# Altium PCB 2312_BadgePlaceTravail.PcbDoc (part 2 of 2)
Units mm, origin at the board's own origin, x right, y up, seen from the top; angles counter-clockwise.
Board outline 130 x 87 mm, 2 copper layers (Top Layer, Bottom Layer), stack 1.62 mm thick; 119 components, 126 nets, 435 pads, 203 vias.
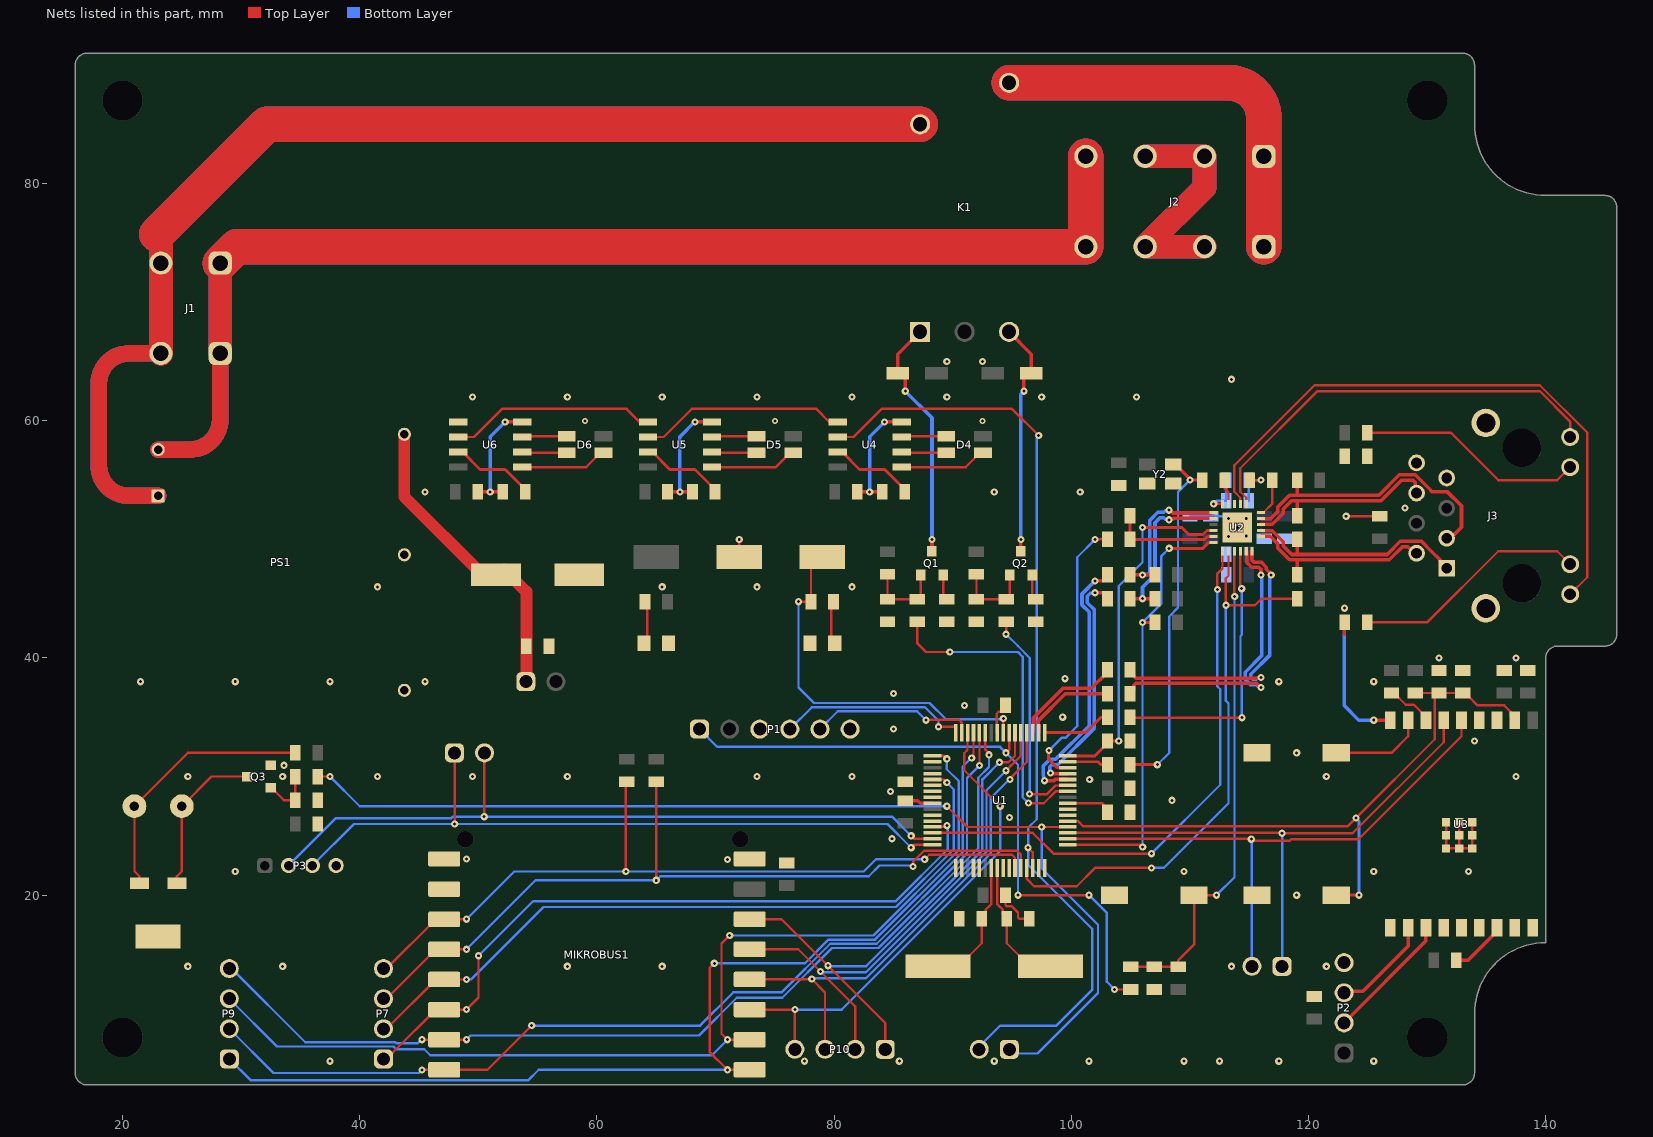
[diagram p2: the nets of this part, all layers, seen from the top]

## Via types
v1: diameter 0.61, hole 0.25, Top Layer to Bottom Layer, 200 vias
v2: diameter 0.51, hole 0.25, Top Layer to Bottom Layer, 3 vias

## Nets (pads, with @x,y where several pads share a name; then routed paths per layer and width w, separated by ;. In a path a pad name is that pad's centre, name@x,y a point inside that pad or via, vN(x,y) a via of type N, cw(c..) or ccw(c..) an arc to the next point about the centre after c; other vN are vias at no path point) (continued)
AC-L-IN: J1.2 K1.3 PS1.1 | length 196.9
  Top Layer w1.4: PS1.1@23,53.67 20.54,53.67 cw(c20.54,56.21) 18,56.21 18,63.14 cw(c20.54,63.14) 20.54,65.68 J1.2@23.23,65.68
  Top Layer w2: 22.876,75.725 23.23,75.371 J1.2@23.23,73.3 J1.2@23.23,65.68
  Top Layer w3: 22.876,75.725 32.152,85 K1.3@87.25,85
  Bottom Layer w1.4: PS1.1@23,53.67 20.54,53.67 cw(c20.54,56.21) 18,56.21 18,63.14 cw(c20.54,63.14) 20.54,65.68 J1.2@23.23,65.68
  Bottom Layer w2: 22.876,75.725 23.23,75.371 J1.2@23.23,73.3 J1.2@23.23,65.68
  Bottom Layer w3: 22.876,75.725 32.152,85 K1.3@87.25,85
AC-L-OUT: J2.1 K1.5 | length 68
  Top Layer w3: K1.5@94.75,88.5 113.23,88.5 cw(c113.23,85.5) 116.23,85.5 J2.1@116.23,74.68
  Bottom Layer w3: K1.5@94.75,88.5 113.23,88.5 cw(c113.23,85.5) 116.23,85.5 J2.1@116.23,74.68
AC-N: J1.1 J2.4 PS1.2 | length 202.1
  Top Layer w1.4: PS1.2@23,57.57 25.69,57.57 ccw(c25.69,60.11) 28.23,60.11 J1.1@28.23,65.68
  Top Layer w2: J1.1@28.23,65.68 J1.1@28.23,73.3
  Top Layer w3: J1.1@28.23,73.3 29.61,74.68 J2.4@101.23,74.68 J2.4@101.23,82.3
  Bottom Layer w1.4: PS1.2@23,57.57 25.69,57.57 ccw(c25.69,60.11) 28.23,60.11 J1.1@28.23,65.68
  Bottom Layer w2: J1.1@28.23,65.68 J1.1@28.23,73.3
  Bottom Layer w3: J1.1@28.23,73.3 29.61,74.68 J2.4@101.23,74.68 J2.4@101.23,82.3
AC-RST: R3.2 U1.58 | length 27.5
  Top Layer w0.2: R3.2@87,43.05 87,41.25 87.75,40.5 v1(89.75,40.5) ; v1(96.388,27.762) 96.4,27.75 97.67,27.75 98.67,28.75 U1.58@99.7,28.75
  Bottom Layer w0.2: v1(89.75,40.5) 95.505,40.5 95.911,40.094 95.911,28.239 v1(96.388,27.762)
AC-SET: R4.1 U1.59 | length 18.9
  Top Layer w0.2: v1(94.5,42) R4.1@94.5,43.05 ; v1(96.467,28.524) 97.948,28.524 98.674,29.25 U1.59@99.7,29.25
  Bottom Layer w0.2: v1(94.5,42) 95.475,41.025 95.477,41.025 96.5,40.001 96.5,28.557 v1(96.467,28.524)
CHILLI-RX: P3.3 P6.1 U1.32 | length 60.7
  Top Layer w0.2: P6.1@47.98,32 48,31.98 v1(48,26) ; v1(86.5,24) 86.502,24 86.752,24.25 U1.32@88.3,24.25
  Bottom Layer w0.2: P3.3@36,22.5 39.5,26 v1(48,26) 84.5,26 v1(86.5,24)
CHILLI-TX: P3.2 P6.2 U1.31 | length 62.2
  Top Layer w0.2: v1(50.491,26.619) 50.491,31.971 P6.2@50.52,32 ; v1(86.5,25) 86.502,25 86.752,24.75 U1.31@88.3,24.75
  Bottom Layer w0.2: P3.2@34,22.5 38,26.5 47.714,26.5 47.833,26.619 84.881,26.619 v1(86.5,25)
CLKIN: R33.1 U2.5 | length 2.1
  Top Layer w0.2: R33.1@112.95,55 112.95,54.25 113.25,53.95 U2.5@113.25,53.007
CRS_DV: R26.2 U1.62 | length 23.3
  Top Layer w0.2: v1(102,50) R26.2@103.05,50
  Top Layer w0.25: v1(98.117,32.193) 98.088,32.164 98.088,31.462 98.775,30.775 99.675,30.775 U1.62@99.7,30.75
  Bottom Layer w0.2: v1(98.117,32.193) 99.184,33.261 99.511,33.261 100.5,34.25 100.5,48.5 v1(102,50)
DEBUG: R45.1 TP2.1 U1.8 | length 32
  Top Layer w0.2: v1(77,44.75) R45.1@78.05,44.75 78.05,47.585 78.965,48.5 TP2.1@79,48.5 ; U1.8@94.25,33.7 94.258,33.708 94.258,34.879 v1(94.267,34.887)
  Bottom Layer w0.2: v1(77,44.75) 77,37.5 78.298,36.202 88.048,36.202 89.404,34.846 94.226,34.846 v1(94.267,34.887)
EARTH: J2.2 J2.3 | length 39.4
  Top Layer w2: J2.3@106.23,82.3 J2.2@111.23,82.3 111.23,79.68 J2.3@106.23,74.68 J2.2@111.23,74.68
  Bottom Layer w2: J2.3@106.23,82.3 J2.2@111.23,82.3 111.23,79.68 J2.3@106.23,74.68 J2.2@111.23,74.68
EGND: J3.P8 J3.S1 J3.S2 R32.1
  other v1: 128.132,52.635
EMDC: U1.30 U2.13 | length 47.4
  Top Layer w0.2: U1.30@88.3,25.25 96.75,25.25 98.5,23.5 v1(106.75,23.5) ; v1(112.319,45.77) 112.319,47.119 112.75,47.55 U2.13@112.75,48.993
  Bottom Layer w0.2: v1(106.75,23.5) 112.562,29.312 112.562,37.364 112.319,37.606 v1(112.319,45.77)
EMDIO: R13.1 U1.49 U2.12 | length 37.5
  Top Layer w0.25: U1.49@99.7,24.25 105.734,24.25 105.918,24.067 v1(106.015,24.067) ; v1(106,43) R13.1@107.05,43 ; v1(108.25,49.25) 111.089,49.25 111.589,49.75 U2.12@111.993,49.75
  Bottom Layer w0.2: v1(106,43) 106,24.082 v1(106.015,24.067) ; v1(106,43) 107.597,44.597 107.597,48.597 v1(108.25,49.25)
EN: C22.2 C23.1 R36.2 SW2.2 U1.53 U3.2 | length 56.3
  Top Layer w0.2: U1.53@99.7,26.25 100.55,26.25 101.004,25.796 123.296,25.796 v1(124,26.5) 130.647,33.147 130.647,36.7 130.997,37.05 C22.2@131,37.05 ; R36.2@129,37.05 130.6,37.05 C22.2@131,37.05 ; U3.2@137.4,34.75 137.05,35.1 137.05,35.45 136.5,36 134.25,36 133.55,36.7 133.2,37.05 131.5,37.05 C22.2@131,37.05
  Top Layer w0.25: SW2.2@122.35,20 v1(124.25,20)
  Bottom Layer w0.25: v1(124,26.5) 124,26.498 124.25,26.248 v1(124.25,20)
EREF-CLK: R34.1 U1.63 | length 3.5
  Top Layer w0.25: U1.63@99.7,31.25 102.25,31.25 102.5,31 R34.1@103.05,31
ERXD_0: R24.2 U1.61 | length 20.6
  Top Layer w0.3: v1(98.236,30.304) 98.295,30.244 99.006,30.244 99.012,30.25 U1.61@99.7,30.25 ; v1(102,45.5) 102.75,45.5 103.05,45.2 R24.2@103.05,45
  Bottom Layer w0.3: v1(98.236,30.304) 98.192,30.348 98.192,30.815 98.367,30.991 98.843,30.991 101.95,34.098 101.95,44.058 101.352,44.656 101.352,45.214 101.585,45.447 101.947,45.447 v1(102,45.5)
ERXD_1: R25.2 U1.60 | length 22.9
  Top Layer w0.3: v1(97.736,29.654) 98.544,29.654 98.665,29.774 99.075,29.774 99.1,29.75 U1.60@99.7,29.75 ; v1(102,46.5) 102.75,46.5 103.05,46.8 R25.2@103.05,47
  Bottom Layer w0.3: v1(97.736,29.654) 97.676,29.713 97.676,30.006 97.63,30.053 97.63,30.891 98.181,31.442 98.656,31.442 101.499,34.285 101.499,43.871 100.901,44.469 100.901,45.401 v1(102,46.5)
ERXERR: R30.2 U1.64 U2.10 | length 30.1
  Top Layer w0.25: U1.64@99.7,31.75 102,31.75 103.05,32.8 R30.2@103.05,33 v1(104,33) ; v1(106,51) 109.313,51 109.897,50.416 111.11,50.416 111.443,50.75 U2.10@111.993,50.75
  Bottom Layer w0.2: v1(104,33) 104,46.067 106,48.067 v1(106,51)
ETXD_0: R18.2 U1.2 | length 7.8
  Top Layer w0.3: U1.2@97.25,33.7 97.25,34.3 97.226,34.325 97.226,34.724 99.486,36.985 101.872,36.985 101.888,37 R18.2@103.05,37
ETXD_1: R23.2 U1.3 | length 9.3
  Top Layer w0.3: U1.3@96.75,33.7 96.75,34.3 96.775,34.325 96.775,34.911 99.299,37.436 101.686,37.436 103.05,38.8 R23.2@103.05,39
ETXEN: R27.2 U1.1 | length 5.8
  Top Layer w0.25: U1.1@97.75,33.7 101.2,33.7 102.5,35 R27.2@103.05,35
GND: C1.2 C2.1 C3.1 C4.2 C5.1 C6.1 C7.1 C8.1 C9.1 C10.1 C11.2 C12.1 C13.1 C14.1 C15.1 C16.1 C17.1 C18.1 C19.1 C20.1 C21.1 C22.1 C23.2 C24.1 C25.1 C26.1 C27.1 C28.1 C29.1 C30.1 C31.1 D7.1 D8.1 MIKROBUS1.8 MIKROBUS1.9 P1.3 P2.4 P3.4 PS1.4 Q3.3 R5.1 R6.1 R7.1 R8.1 R29.1 R30.1 R31.1 R32.2 R40.2 R41.1 R42.1 R43.1 SW1.1 SW2.1 SW3.2 TP3.1 TP4.1 U1.9 U1.20 U1.25 U1.41 U2.25 U3.9 U4.4 U5.4 U6.4 Y2.2 | length 70.6
  Top Layer w0.2: TP3.1@72,48.5 v1(72,50) ; U1.9@93.75,33.7 93.711,33.739 93.711,35.302 93.867,35.459 94.1,35.459 94.45,35.809 C10.1@94.45,36 ; C8.1@94.45,20 94.45,19.167 94.567,19.05 94.997,19.05 95.5,18.547 95.5,18.117 95.617,18 C4.2@96.45,18 ; R31.1@115.05,55 v1(116,55) ; v1(123.175,51.95) C12.1@126,51.95 ; U3.9@131.6,26.14 U3.9@131.6,25.04 U3.9@131.6,23.94 U3.9@132.7,23.94 ; U3.9@132.7,26.14 U3.9@132.7,25.04 U3.9@132.7,23.94 ; U3.9@133.8,26.14 U3.9@133.8,25.04 U3.9@133.8,23.94 U3.9@132.7,23.94
  Top Layer w0.3: C31.1@49.95,54 v1(51,54) R43.1@52.05,54 ; v1(52.257,59.905) U6.4@53.825,59.905 ; C30.1@65.95,54 v1(67,54) R42.1@68.05,54 ; v1(68.257,59.905) U5.4@69.825,59.905 ; C29.1@81.95,54 v1(83,54) R41.1@84.05,54 ; v1(84.257,59.905) U4.4@85.825,59.905 ; C6.1@86,27.95 87.05,27.95 87.25,27.75 U1.25@88.3,27.75 ; 123,42 123,42.95 R29.1@123.05,43 ; v1(125.5,34.75) U3.9@126.9,34.75
  Bottom Layer w0.2: C17.1@110.007,51.95 C18.1@111.757,51.95 112.966,51.95 113.166,51.75 v1(113.25,51.75) ; C20.1@114.957,53.25 C19.1@114.957,55 v1(116,55)
  Bottom Layer w0.3: v1(51,54) 51,58.648 v1(52.257,59.905) ; v1(67,54) 67,58.648 v1(68.257,59.905) ; v1(83,54) 83,58.648 v1(84.257,59.905) ; 123,42 123,35.995 124.245,34.75 v1(125.5,34.75)
  other v1: 37.5,6 77.5,6 85.5,6 93.5,6 101.5,6 109.5,6 112.5,6 117.5,6 125.5,6 25.5,14 33.5,14 57.5,14 65.5,14 113.5,14 121.5,14 119,20 29.5,22 109.5,22 125.5,22 133.5,22 71,23.005 49,23.052 84.887,24.756 94.783,26.544 108.5,28 84.75,28.75 101.546,29.754 25.5,30 33.5,30 41.5,30 49.5,30 57.5,30 73.5,30 81.5,30 121.5,30 137.5,30 33.6,30.95 119,32 134,33 85,34 99.267,35.005 91,36 85,37 21.5,38 29.5,38 37.5,38 45.5,38 117.5,38 125.5,38 99.472,38.253 131,40 137.5,40 123.045,44.197 41.5,46 65.5,46 73.5,46 81.5,46 113.25,50.236 114.75,50.273 114,51 114.75,51.742 45.5,54 93.5,54 100.75,54 49.5,62 57.5,62 65.5,62 73.5,62 81.5,62 89.5,62 97.5,62 105.5,62 113.5,63.5 89.5,65 92.5,65
  other v2: 59,60 75,60 92.5,60
INT4: R14.1 U1.45 U2.14 | length 48.8
  Top Layer w0.2: U1.45@96.25,22.3 96.25,21.359 96.856,20.754 100.462,20.754 102.008,22.3 v1(106.75,22.3) ; U2.14@113.25,48.993 113.25,46.933 113.034,46.717 v1(113.034,44.444) 115.492,44.444 116.047,45 R14.1@119.05,45
  Bottom Layer w0.2: v1(106.75,22.3) 107.8,22.3 113.25,27.75 113.25,36.17 113.034,36.386 v1(113.034,44.444)
IO0: U3.18
IO1: U3.17
IO2: R35.2 U3.16 | length 4.8
  Top Layer w0.3: R35.2@132.45,14.5 133.45,14.5 135.9,16.95 U3.16@135.9,17.25
IO3: U3.15
IO4: U3.3
IO5: U3.4
IO6: P8.2 U1.50 U3.5 | length 49
  Top Layer w0.2: U1.50@99.7,24.75 115.149,24.75 v1@115.184,24.714 ; v1(115.179,24.719) 115.29,24.719 115.427,24.583 118.412,24.583 118.548,24.719 124.214,24.719 132.9,33.405 U3.5@132.9,34.75
  Bottom Layer w0.2: v1(115.179,24.719) 115.205,24.694 115.205,14.025 P8.2@115.23,14
IO7: P8.1 U1.51 U3.6 | length 48
  Top Layer w0.2: U1.51@99.7,25.25 99.725,25.275 117.716,25.275 v1(117.771,25.22) 123.72,25.22 131.4,32.9 U3.6@131.4,34.75
  Bottom Layer w0.2: P8.1@117.771,14.001 v1(117.771,25.22)
IO8: R37.1 U3.7 | length 4
  Top Layer w0.2: R37.1@127,37.05 127.2,37.05 128.2,36.05 128.9,36.05 129.9,35.05 U3.7@129.9,34.75
IO9: SW3.1 U3.8 | length 7.8
  Top Layer w0.2: SW3.1@122.507,32 127,32 128.4,33.4 U3.8@128.4,34.75
IO10: U3.10
IO18: U3.13
IO19: U3.14
LED-100M: J3.12 U2.2 | length 36.1
  Top Layer w0.2: U2.2@114.75,53.007 114.75,53.511 114.25,54.011 114.25,56 120.75,62.5 139.5,62.5 142.06,59.94 J3.12@142.06,58.63
LED-LINK: J3.9 U2.3 | length 51.9
  Top Layer w0.2: U2.3@114.25,53.007 114.25,53.511 113.75,54.011 113.75,56.25 120.5,63 139.5,63 143.5,59 143.5,46.81 J3.9@142.06,45.37
MB-AN: MIKROBUS1.1 P9.1 U1.13 | length 90
  Top Layer w0.2: v1(69.9,14.25) 69.5,13.85 69.5,6.772 v1(71,5.272) MIKROBUS1.1@72.88,5.272 ; v1(91.595,31.565) 91.595,31.676 91.75,31.831 U1.13@91.75,33.7
  Bottom Layer w0.2: P9.1@29,6.19 30.79,4.4 54.222,4.4 55.094,5.272 v1(71,5.272) ; v1(69.9,14.25) 77.524,14.25 79.523,16.249 83.454,16.249 90.851,23.646 90.851,30.851 91.565,31.565 v1(91.595,31.565)
MB-CS: MIKROBUS1.3 P10.4 U1.14 | length 41.4
  Top Layer w0.2: MIKROBUS1.3@72.88,10.352 v1(76.69,10.352) P10.4@76.69,7 ; U1.14@91.25,33.7 91.25,32.25 90.967,31.967 90.967,30.528 93.995,27.5 v1(94,27.5)
  Bottom Layer w0.2: v1(76.69,10.352) 80.641,10.352 94.01,23.721 94.01,26.629 94,26.639 v1(94,27.5)
MB-INT: MIKROBUS1.15 P9.4 U1.11 | length 82.8
  Top Layer w0.2: v1(45.239,7.813) 45.668,7.813 45.67,7.812 MIKROBUS1.15@47.12,7.812 48.57,7.812 ; 48.57,7.812 v1(49,7.812) ; U1.11@92.75,33.7 92.75,32.255 93.059,31.946 v1(93.059,31.835)
  Bottom Layer w0.2: P9.4@29,13.81 29.19,13.81 35.408,7.592 42.985,7.592 43.077,7.5 44.877,7.5 45.19,7.813 v1(45.239,7.813) ; v1(49,7.812) 49.35,8.162 68.594,8.162 71.784,11.352 75.618,11.352 79.814,15.547 83.745,15.547 92.149,23.951 92.149,29.904 93.059,30.814 v1(93.059,31.835)
MB-MISO: MIKROBUS1.5 P10.2 U1.5 | length 44
  Top Layer w0.2: MIKROBUS1.5@72.88,15.432 76.971,15.432 81.77,10.633 P10.2@81.77,7 ; v1(94.5,30.5) 95.75,31.75 U1.5@95.75,33.7
  Bottom Layer w0.2: v1(78.847,13.556) 78.909,13.494 79.44,13.494 79.445,13.499 79.706,13.499 82.69,13.5 92.851,23.661 92.851,28.851 v1@94.495,30.495
MB-MOSI: MIKROBUS1.6 P10.1 U1.6 | length 45.9
  Top Layer w0.2: MIKROBUS1.6@72.88,17.972 75.559,17.972 84.31,9.221 P10.1@84.31,7 ; v1(93.942,31.201) 94.704,31.201 95.255,31.752 95.255,33.695 U1.6@95.25,33.7
  Bottom Layer w0.2: v1(79.476,14.055) 79.531,14 82.694,14 92.5,23.806 92.5,29.759 v1(93.942,31.201)
MB-PWM: MIKROBUS1.16 P9.2 U1.12 | length 82.1
  Top Layer w0.2: v1(45.25,5.25) 45.272,5.272 MIKROBUS1.16@47.12,5.272 48.57,5.272 ; 48.57,5.272 49,5.272 50.772,5.272 v1(54.5,9) ; U1.12@92.25,33.7 92.256,33.694 92.256,30.94 v1(92.262,30.934)
  Bottom Layer w0.2: P9.2@29,8.73 32.73,5 44.998,5 45.248,5.25 v1(45.25,5.25) ; v1(54.5,9) 68.7,9 71.5,11.8 75.57,11.8 79.668,15.898 83.599,15.898 91.202,23.501 91.202,29.873 v1(92.262,30.934)
MB-RST: MIKROBUS1.2 P9.3 U1.17 | length 87.4
  Top Layer w0.2: v1(71.19,16.6) 70.5,15.91 70.5,8.312 v1(71,7.812) MIKROBUS1.2@72.88,7.812 ; U1.17@88.3,31.75 89.248,31.75 v1(89.5,31.5) v1(89.5,31.5)
  Bottom Layer w0.2: P9.3@29,11.27 33.029,7.241 42.839,7.241 43.08,7 45.44,7 45.94,6.5 69.688,6.5 v1(71,7.812) ; v1(71.19,16.6) 83.308,16.6 90.5,23.792 90.5,29.614 89.5,30.614 v1(89.5,31.5)
MB-RX: MIKROBUS1.14 P7.1 U1.29 | length 60.2
  Top Layer w0.2: P7.1@42,6.19 42.515,6.705 42.773,6.705 46.42,10.352 MIKROBUS1.14@47.12,10.352 v1(49,10.352) 50.012,11.364 v1(50.012,14.89) ; U1.29@88.3,25.75 88.32,25.77 89.332,25.77 89.416,25.854 v1(89.527,25.854)
  Bottom Layer w0.2: v1(50.012,14.89) 54.623,19.5 85.216,19.5 89.579,23.864 89.579,25.801 v1(89.527,25.854)
MB-SCK: MIKROBUS1.4 P10.3 U1.4 | length 42.6
  Top Layer w0.2: MIKROBUS1.4@72.88,12.892 72.907,12.919 v1(78.115,12.919) 79.23,11.804 P10.3@79.23,7 ; v1(94.827,29.759) 94.827,29.827 96.25,31.25 U1.4@96.25,33.7
  Bottom Layer w0.2: v1(78.115,12.919) 78.19,12.994 78.81,12.994 78.816,13 82.687,13 93.202,23.515 93.202,28.202 94.759,29.759 v1(94.827,29.759)
MB-SCL: MIKROBUS1.12 P7.3 R10.2 U1.44 | length 68.8
  Top Layer w0.2: P7.3@42,11.27 42.258,11.27 46.42,15.432 MIKROBUS1.12@47.12,15.432 48.57,15.432 ; 48.57,15.432 v1(49,15.432) ; v1(65,21.25) R10.2@65,29.55 ; v1(86.647,22.424) 86.677,22.454 86.677,22.849 87.579,23.751 95.415,23.751 95.75,23.416 U1.44@95.75,22.3
  Bottom Layer w0.2: v1(49,15.432) 54.818,21.25 65.002,21.25 65.352,21.6 82.916,21.6 83.816,22.5 86.571,22.5 v1(86.647,22.424)
MB-SDA: MIKROBUS1.11 P7.4 R9.1 U1.43 | length 65.8
  Top Layer w0.2: P7.4@42,13.81 42.258,13.81 46.42,17.972 MIKROBUS1.11@47.12,17.972 48.57,17.972 ; 48.57,17.972 v1(49,17.972) ; v1(62.432,22) 62.432,29.482 R9.1@62.5,29.55 ; v1(87.639,23.025) 88.014,23.4 95,23.4 95.25,23.15 U1.43@95.25,22.3
  Bottom Layer w0.2: v1(49,17.972) 53.028,22 v1(62.432,22) 82.5,22 83.525,23.025 v1(87.639,23.025)
MB-TX: MIKROBUS1.13 P7.2 U1.21 | length 61.5
  Top Layer w0.2: P7.2@42,8.73 42.258,8.73 46.42,12.892 MIKROBUS1.13@47.12,12.892 48.57,12.892 ; 48.57,12.892 v1(49,12.892) ; U1.21@88.3,29.75 89.248,29.75 v1(89.5,29.5) v1(89.5,29.5)
  Bottom Layer w0.2: v1(49,12.892) 49.392,12.892 55.5,19 85.212,19 90.085,23.873 90.085,28.915 v1(89.5,29.5)
MCLR: P1.1 R12.2 U1.7 | length 57.1
  Top Layer w0.2: v1(94.5,32) v1(94.5,32) 94.75,32.252 U1.7@94.75,33.7 ; v1(95.5,20) v1(101.5,20) ; v1(103.65,12.05) R12.2@105,12.05
  Bottom Layer w0.2: P1.1@68.65,34 70.145,32.505 92.794,32.505 92.795,32.506 93.215,32.506 93.216,32.505 93.995,32.505 95.505,30.995 95.505,20.005 v1(95.5,20) ; v1(101.5,20) 103,18.5 103,12.7 v1(103.65,12.05)
NetC5_2: C5.2 U1.56 | length 3.8
  Top Layer w0.25: U1.56@99.7,27.75 102.579,27.75 102.725,27.604 102.725,27.325 C5.2@103.05,27
NetC19_2: C19.2 C20.2 U2.6 | length 3.7
  Top Layer w0.2: v1(112,53) 112.007,53.007 U2.6@112.75,53.007
  Bottom Layer w0.2: v1(112,53) v1(112,53) 112.252,53.25 C20.2@113.057,53.25 C19.2@113.057,55
NetD1_1: D1.1 K1.1 Q1.1 | length 20.6
  Top Layer w0.3: v1(86,62.5) 86,63.629 85.629,64 D1.1@85.369,64 85.369,65.619 K1.1@87.25,67.5 ; Q1.1@88.25,49 v1(88.25,50)
  Bottom Layer w0.3: v1(86,62.5) 88.25,60.25 v1(88.25,50)
NetD2_1: D2.1 K1.6 Q2.1 | length 19.8
  Top Layer w0.3: K1.6@94.75,67.5 96.631,65.619 D2.1@96.631,64 96.371,64 96,63.629 v1(96,62.5) ; Q2.1@95.75,49 v1(95.75,50)
  Bottom Layer w0.3: v1@95.75,50.002 95.75,62.248 v1(96,62.5) v1(96,62.5)
NetD3_1: D3.1 LS1.N Q3.1 | length 13.2
  Top Layer w0.2: D3.1@24.581,21 24.581,21.595 25,22.015 LS1.N@25,27.5 27.5,30 Q3.1@30.5,30
NetD3_2: D3.2 LS1.P R38.1 | length 22.1
  Top Layer w0.2: D3.2@21.42,21 21.42,21.595 21,22.015 LS1.P@21,27.5 25.5,32 R38.1@34.55,32
NetD4_2: D4.2 U4.1 | length 7.3
  Top Layer w0.2: U4.1@85.825,56.095 91.095,56.095 91.9,56.9 91.9,56.95 92.25,57.3 D4.2@92.55,57.3
NetD4_3: D4.3 U4.3 | length 3.7
  Top Layer w0.2: U4.3@85.825,58.635 85.89,58.7 D4.3@89.45,58.7
NetD4_4: D4.4 U4.2 | length 3.7
  Top Layer w0.2: U4.2@85.825,57.365 85.89,57.3 D4.4@89.45,57.3
NetD5_2: D5.2 U5.1 | length 7.3
  Top Layer w0.2: U5.1@69.825,56.095 75.095,56.095 75.9,56.9 75.9,56.95 76.25,57.3 D5.2@76.55,57.3
NetD5_3: D5.3 U5.3 | length 3.7
  Top Layer w0.2: U5.3@69.825,58.635 69.89,58.7 D5.3@73.45,58.7
NetD5_4: D5.4 U5.2 | length 3.7
  Top Layer w0.2: U5.2@69.825,57.365 69.89,57.3 D5.4@73.45,57.3
NetD6_2: D6.2 U6.1 | length 7.3
  Top Layer w0.2: U6.1@53.825,56.095 59.095,56.095 59.9,56.9 59.9,56.95 60.25,57.3 D6.2@60.55,57.3
NetD6_3: D6.3 U6.3 | length 3.7
  Top Layer w0.2: U6.3@53.825,58.635 53.89,58.7 D6.3@57.45,58.7
NetD6_4: D6.4 U6.2 | length 3.7
  Top Layer w0.2: U6.2@53.825,57.365 53.89,57.3 D6.4@57.45,57.3
NetD7_2: D7.2 R44.2 | length 3.7
  Top Layer w0.2: D7.2@63.95,41.25 64.25,41.55 64.25,44.55 R44.2@64.05,44.75
NetD8_2: D8.2 R45.2 | length 3.7
  Top Layer w0.2: R45.2@79.95,44.75 79.75,44.55 79.75,41.55 D8.2@80.05,41.25
NetJ3_10: J3.10 R29.2 | length 20
  Top Layer w0.2: R29.2@124.95,43 130,43 136,49 140.97,49 J3.10@142.06,47.91
NetJ3_11: J3.11 R28.1 | length 19.2
  Top Layer w0.2: R28.1@124.95,59 132,59 136,55 140.97,55 J3.11@142.06,56.09
NetJ3_P7: J3.P7
NetMIKROBUS1_10: MIKROBUS1.10
NetP1_6: P1.6
NetPS1_3: PS1.3
NetQ1_2: Q1.2 R1.1 R3.1 R5.2 | length 6.8
  Top Layer w0.2: R1.1@84.5,47.05 R5.2@84.5,44.95 84.65,44.95 R3.1@87,44.95 87.3,45.25 Q1.2@87.3,47
NetQ1_3: Q1.3 R6.2 | length 2.2
  Top Layer w0.2: Q1.3@89.2,47 89.2,45.25 R6.2@89.5,44.95
NetQ2_2: Q2.2 R2.1 R4.2 R8.2 | length 6.8
  Top Layer w0.2: R2.1@92,47.05 R8.2@92,44.95 R4.2@94.5,44.95 94.8,45.25 Q2.2@94.8,47
NetQ2_3: Q2.3 R7.2 | length 2.2
  Top Layer w0.2: Q2.3@96.7,47 96.7,45.25 R7.2@97,44.95
NetQ3_2: Q3.2 R39.1 R40.1 | length 4.5
  Top Layer w0.2: Q3.2@32.5,29.05 32.55,29.05 33.6,28 R40.1@34.55,28 R39.1@34.55,30
NetR15_1: R15.1 R26.1 U2.11 | length 9.1
  Top Layer w0.25: R15.1@104.95,52 R26.1@104.95,50 111.26,50 111.51,50.25 U2.11@111.993,50.25
NetR27_1: R27.1 U2.16 | length 23.6
  Top Layer w0.2: R27.1@104.95,35 104.984,34.966 v1(114.381,34.966) ; U2.16@114.25,48.993 114.25,46.07 114.366,45.954 v1(114.366,45.843)
  Bottom Layer w0.2: v1(114.366,45.843) 114.366,41.932 114.261,41.827 114.261,38.026 114.381,37.907 v1(114.381,34.966)
NetR31_2: R31.2 U2.24 | length 3.2
  Top Layer w0.2: U2.24@116.007,52.25 116.184,52.25 116.95,53.016 R31.2@116.95,55
NetR33_2: R33.2 R34.2 Y2.3 | length 30.5
  Top Layer w0.25: R34.2@104.95,31 v1(107.25,31) ; Y2.3@108.6,56.3 108.8,56.3 109.95,55.15 109.95,55.05 v1(110,55) R33.2@111.05,55
  Bottom Layer w0.2: v1(107.25,31) 108.25,32 108.25,43.5 109,44.25 109,54 v1(110,55)
NetR41_2: R41.2 U4.7 | length 7.3
  Top Layer w0.25: U4.7@80.175,57.365 80.675,57.365 82.147,55.893 84.257,55.893 85.95,54.2 R41.2@85.95,54
NetR42_2: R42.2 U5.7 | length 7.3
  Top Layer w0.25: U5.7@64.175,57.365 64.675,57.365 66.147,55.893 68.257,55.893 69.95,54.2 R42.2@69.95,54
NetR43_2: R43.2 U6.7 | length 7.3
  Top Layer w0.25: U6.7@48.175,57.365 48.675,57.365 50.147,55.893 52.257,55.893 53.95,54.2 R43.2@53.95,54
NetU1_18: U1.18
NetU1_22: U1.22
NetU1_23: U1.23
NetU1_24: U1.24
NetU1_27: U1.27
NetU1_28: U1.28
NetU1_33: U1.33
NetU1_34: U1.34
NetU1_36: U1.36
NetU1_37: U1.37
NetU1_42: U1.42
NetU1_47: U1.47
NetU1_48: U1.48
NetU1_54: U1.54
NetU1_55: U1.55
NetU2_4: U2.4
NetU4_5: U4.5 U5.6 | length 17.4
  Top Layer w0.2: U5.6@64.175,58.635 65.635,58.635 68,61 78.5,61 79.595,59.905 U4.5@80.175,59.905
NetU5_5: U5.5 U6.6 | length 17.4
  Top Layer w0.2: U6.6@48.175,58.635 49.635,58.635 52,61 62.5,61 63.595,59.905 U5.5@64.175,59.905
NetU6_5: U6.5
NetY2_1: Y2.1
nRST: C11.1 R11.2 R12.1 SW1.2 U2.15 | length 42.1
  Top Layer w0.2: R12.1@105,13.95 C11.1@107,13.95 108.25,13.95 R11.2@109,13.95 109,14.5 110.35,15.85 SW1.2@110.35,20 v1(112.25,20) ; U2.15@113.75,48.993 113.75,45.212 v1(113.776,45.186)
  Bottom Layer w0.2: v1(112.25,20) 113.755,21.505 113.755,45.165 v1(113.776,45.186)
OC1: P5.2 U1.46 U4.6 | length 81.9
  Top Layer w0.2: U4.6@80.175,58.635 81.635,58.635 84,61 95,61 v1(97.25,58.75) ; v1(96.355,24) 96.75,23.605 U1.46@96.75,22.3
  Bottom Layer w0.2: P5.2@92.23,7 92.23,7.23 94,9 98.75,9 101.75,12 101.75,17.171 96.355,22.566 v1(96.355,24) 96.355,25.678 97.079,26.402 97.079,58.495 97.25,58.666 v1(97.25,58.75)
OC5: P5.1 R39.2 U1.52 | length 90.7
  Top Layer w0.2: R39.2@36.45,30 37,30 v1(37.5,30) ; v1(89.5,27.5) 91.25,25.75 v1(97.5,25.75) U1.52@99.7,25.75
  Bottom Layer w0.2: v1(37.5,30) 40,27.5 v1(89.5,27.5) ; P5.1@94.77,7 95.12,6.65 97.15,6.65 102.25,11.75 102.25,17.5 97.5,22.25 v1(97.5,25.75)
OSC1: C3.2 U1.39 Y1.1 | length 11.2
  Top Layer w0.2: Y1.1@88.75,14 90.5,14 92.45,15.95 C3.2@92.45,18 92.789,18.339 92.789,18.789 93.099,19.099 93.104,19.099 93.251,19.246 93.251,20.754 93.25,20.755 U1.39@93.25,22.3
OSC2: C4.1 U1.40 Y1.2 | length 11.2
  Top Layer w0.2: U1.40@93.75,22.3 93.75,20.755 93.749,20.754 93.749,19.246 93.896,19.099 93.897,19.099 94.211,18.785 94.211,18.339 C4.1@94.55,18 94.55,15.95 96.5,14 Y1.2@98.25,14
PGEC: P1.5 U1.15 | length 13.8
  Top Layer w0.2: v1(87.75,34.75) 87.8,34.8 90.5,34.8 90.75,34.55 U1.15@90.75,33.7
  Bottom Layer w0.2: P1.5@78.81,34 80.31,35.5 87,35.5 v1(87.75,34.75)
PGED: P1.4 U1.16 | length 16.2
  Top Layer w0.2: v1(88.8,34.2) 90.2,34.2 90.25,34.15 U1.16@90.25,33.7
  Bottom Layer w0.2: P1.4@76.27,34 78.121,35.851 87.649,35.851 88.8,34.7 v1(88.8,34.2)
RJRX_N: J3.P6 R22.1 U2.22 | length 17
  Top Layer w0.3: U2.22@116.007,51.25 116.03,51.273 116.207,51.273 116.948,51.273 117.873,52.197 117.873,52.559 118.588,53.274 119.05,53.274 ; R22.1@119.05,52 119.05,53.274 ; J3.P6@129.11,53.905 128.986,54.029 128.986,54.813 128.808,54.99 127.841,54.99 126.125,53.274 119.05,53.274
RJRX_P: J3.P3 R21.1 U2.23 | length 24.4
  Top Layer w0.3: U2.23@116.007,51.75 116.03,51.727 116.207,51.727 116.21,51.724 116.761,51.724 117.422,52.384 117.422,52.746 118.401,53.725 119.05,53.725 ; R21.1@119.05,55 119.05,53.725 ; J3.P3@131.65,50.095 131.862,50.307 132.162,50.307 132.308,50.453 132.324,50.453 132.9,51.028 132.9,52.825 131.725,54 130.44,54 130.088,54.352 130.085,54.352 128.995,55.441 127.655,55.441 125.939,53.725 119.05,53.725
RJTX_N: J3.P2 R20.1 U2.20 | length 16.1
  Top Layer w0.3: U2.20@116.007,50.25 116.03,50.273 116.207,50.273 116.209,50.274 116.761,50.274 117.422,49.614 117.422,49.254 118.402,48.274 119.05,48.274 ; R20.1@119.05,47 119.05,48.274 ; J3.P2@129.11,48.825 128.934,48.825 128.38,49.379 127.923,49.379 126.818,48.274 119.05,48.274
RJTX_P: J3.P1 R19.1 U2.21 | length 19.5
  Top Layer w0.3: U2.21@116.007,50.75 116.03,50.727 116.207,50.727 116.209,50.725 116.948,50.725 117.873,49.801 117.873,49.44 118.589,48.725 119.05,48.725 ; R19.1@119.05,50 119.05,48.725 ; J3.P1@131.65,47.555 131.096,48.109 131.096,48.259 130.311,49.044 130.311,49.045 129.526,49.83 127.737,49.83 126.632,48.725 119.05,48.725
RXD: P2.3 U3.11 | length 8.6
  Top Layer w0.3: P2.3@123,11.77 123.13,11.9 124.592,11.9 128.4,15.708 U3.11@128.4,17.25
TXD: P2.2 U3.12 | length 10.9
  Top Layer w0.3: P2.2@123,9.23 129.9,16.13 U3.12@129.9,17.25
URXD_0: R17.1 R24.1 U2.8 | length 14.2
  Top Layer w0.3: R24.1@104.95,45 v1(106,45) R17.1@107.05,45 ; v1(108.234,51.652) 108.294,51.711 108.551,51.711 108.615,51.775 109.152,51.775 111.791,51.775 111.793,51.773 111.97,51.773 U2.8@111.993,51.75
  Bottom Layer w0.3: v1(106,45) 106,45.969 107.057,47.026 107.057,51.409 107.479,51.832 107.797,51.832 107.917,51.711 108.175,51.711 v1(108.234,51.652)
URXD_1: R16.1 R25.1 U2.7 | length 13
  Top Layer w0.3: R25.1@104.95,47 v1(106,47) R16.1@107.05,47 ; v1(108.234,52.462) 108.318,52.462 108.555,52.226 109.347,52.226 111.791,52.226 111.793,52.227 111.97,52.227 U2.7@111.993,52.25
  Bottom Layer w0.3: v1(106,47) 106.037,47.037 106.43,47.037 106.606,47.213 106.606,51.596 107.293,52.283 107.797,52.283 107.917,52.403 108.175,52.403 v1(108.234,52.462)
UTXD_0: R18.1 U2.17 | length 25.6
  Top Layer w0.3: R18.1@104.95,37 105.25,37.3 105.25,37.68 105.426,37.856 115.634,37.856 115.894,37.596 v1@115.999,37.596 ; U2.17@114.75,48.993 114.773,48.97 114.773,48.793 114.774,48.791 114.774,48.077 115.214,47.637 115.818,47.637 115.994,47.461 115.994,47.006 v1(116,47)
  Bottom Layer w0.3: v1@116,37.597 115.96,37.637 115.713,37.637 115.603,37.746 115.108,37.746 114.668,38.186 114.668,38.808 116.04,40.18 116.04,46.96 v1(116,47)
  other v1: 116,37.5
UTXD_1: R23.1 U2.18 | length 24.8
  Top Layer w0.3: R23.1@104.95,39 104.95,38.8 105.443,38.307 115.96,38.307 v1(116,38.347) ; U2.18@115.25,48.993 115.227,48.97 115.227,48.539 115.225,48.537 115.225,48.264 115.401,48.088 116.005,48.088 116.445,47.648 116.445,47.489 116.791,47.143 v1@116.791,47.041
  Bottom Layer w0.3: v1(116,38.347) 115.96,38.307 115.713,38.307 115.603,38.197 115.295,38.197 115.119,38.373 115.119,38.622 116.75,40.252 v1@116.75,47
  other v1: 116.85,47
VOUT: C1.1 C2.2 P4.1 PS1.5 | length 26.2
  Top Layer w1: PS1.5@43.75,58.86 43.75,53.6 50.35,47 C1.1@51.5,47 ; C1.1@52.2,47.45 54.05,45.6 C2.2@54.05,41 ; P4.1@54,38 54.05,38.05 C2.2@54.05,41 ; C2.2@54.05,41.2 C2.2@54.05,41
pads on no net: J3. MIKROBUS1.0

## Polygon pours and split planes (outlines as drawn)
GND on Top Layer "GND_L01_P007" (solid, remove dead copper, pour order 7): 16,46.05 39.928,46.05 ccw(c39.928,49.882) 43.76,49.882 43.76,58.91 cw(c52.35,58.91) 52.35,67.5 146,67.5 146,4 16,4
EGND on Top Layer "EGND_L01_P002" (solid, remove dead copper, pour order 2): 124,63 124,41 146,41 146,63
GND on Bottom Layer "GND_L02_P006" (solid, remove dead copper, pour order 6): 16,46.05 39.928,46.05 ccw(c39.928,49.882) 43.76,49.882 43.76,58.91 cw(c52.35,58.91) 52.35,67.5 146,67.5 146,4 16,4
EGND on Bottom Layer "EGND_L02_P000" (solid, remove dead copper, pour order 0): 124,63 124,41 146,41 146,63

## Keep-outs
Top Layer:
  circle w4: c20,87 r2
  circle w4: c130,87 r2
  circle w4: c130,8 r2
  circle w4: c20,8 r2

## Silkscreen, mask and mechanical layers (free items; w line width, h text height)
Top Overlay:
  drawing of 71 lines, arcs and shapes, not listed
  text "N" at 100.417,87.5 h2.5
  text "G" at 105.417,87.5 h2.5
  text "G" at 110.417,87.5 h2.5
  text "L" at 115.417,87.5 h2.5
  text "H" at 119.725,86.236 h5
  text "L" at 22.417,78.75 h2.5
  text "N" at 27.417,78.75 h2.5
  text "ETML-ES" at 122.75,74.5 h3
  text "H" at 54.174,72.708 h15
  text "2312 Badge pour / place de travail" at 122.75,69.264 h1.1
  text "V1.0" at 140.151,69.25 h1.2
  text "Miguel Santos / 2023" at 122.75,64.25 h1.1
  text "H" at 17.08,57.389 h4
  text "+3V3" at 62.984,50.7 h1.1
  text "GND" at 70.534,50.7 h1.1
  text "DEBUG" at 76.434,50.7 h1.1
  text "RFID" at 46.76,35.385 h1.2
  text "RX" at 47.105,33.975 h1.05
  text "TX" at 49.645,33.975 h1.05
  text "BOOT" at 116.801,28.4 h1.2
  text "PIC32 / PROG" at 75.5,28 h1.4
  text "ESP32" at 115.268,25.2 h1.6
  text "RESET" at 116.201,22.4 h1.2
  text "RFID" at 43.03,19.5 h1.2 r90
  text "GND" at 17.101,15.9 h1.2
  text "MCLR" at 104.207,15.738 h1.52
  text "MIKROE" at 32.001,15.23 h1.2
  text "MIKROE" at 77.029,13.875 h1.2
  text "AN" at 31.2,13.21 h1.2
  text "SDA" at 36.601,13.21 h1.2
  text "RX" at 114.375,10.975 h1.05
  text "TX" at 116.875,10.975 h1.05
  text "PWM" at 31.2,10.67 h1.2
  text "SCL" at 36.601,10.67 h1.2
  text "CS" at 77.29,9.2 h1.2 r90
  text "SCK" at 79.83,9.2 h1.2 r90
  text "MISO" at 82.37,9.2 h1.2 r90
  text "MOSI" at 84.91,9.2 h1.2 r90
  text "LEDS" at 88.401,8.9 h1.2
  text "BUZZER" at 94,8.7 h1.2
  text "INT" at 31.2,8.13 h1.2
  text "TX" at 37.801,8.13 h1.2
  text "1" at 120.733,6.128 h1.05
  text "RST" at 31.2,5.4 h1.2
  text "RX" at 37.801,5.4 h1.2
  text "PROG" at 118.431,5.328 h1.2 r90
Bottom Overlay:
  text "H" at 123.275,86.236 h5
  text "H" at 64.826,72.708 h15
  text "H" at 19.92,57.389 h4
Top Dims:
  circle w0.2: c20,8 r1.6
  circle w0.2: c20,87 r1.6
  circle w0.2: c130,87 r1.6
  circle w0.2: c130,8 r1.6
Board Outline (ES):
  the board outline again, w0.254

## Dimensions
16,90 to 134,90 on Top Dims
20,88.6 to 130,88.6 on Top Dims
17,4 to 17,91 on Top Dims
20,8 to 24.5,11.5 on Top Dims
20,87 to 20,8 on Top Dims
146,78 to 134,90 on Top Dims
16,4 to 146,42 on Top Dims
141,40 to 138,42 on Top Dims
145,79 to 133,91 on Top Dims
140,16 to 134,4 on Top Dims
140,16 to 145,41 on Top Dims
140,10 to 133,17 on Top Dims

## Text inside footprints (layer, text, board x,y; h text height)
C1: Top Overlay "+" at 49.128,47.428 h1 r180
D1: Components Bodies "*" at 85.514,63.365 h1.27
D2: Components Bodies "*" at 96.486,64.635 h1.27 r180
D3: Components Bodies "*" at 24.486,21.635 h1.27 r180
LS1: Top Overlay "-" at 28.2,27.1 h1.27; Top Overlay "+" at 17,26.9 h1.27; Components Bodies "-" at 28.2,27.1 h1.27; Components Bodies "+" at 17,26.9 h1.27
MIKROBUS1: Top Overlay "RST" at 65.601,7.212 h1.2; Top Overlay "CS" at 66.801,9.752 h1.2; Top Overlay "MISO" at 64.601,14.832 h1.2; Top Overlay "SCK" at 65.601,12.292 h1.2; Top Overlay "MOSI" at 64.801,17.372 h1.2; Top Overlay "+3.3V" at 63.402,19.9 h1.2; Top Overlay "GND" at 65.601,22.452 h1.2; Top Overlay "AN" at 66.801,4.672 h1.2; Top Overlay "SCL" at 51.2,14.832 h1.2; Top Overlay "INT" at 51.2,7.212 h1.2; Top Overlay "+5V" at 51.2,19.928 h1.2; Top Overlay "SDA" at 51.2,17.372 h1.2; Top Overlay "TX" at 51.2,12.292 h1.2; Top Overlay "GND" at 51.2,22.452 h1.2; Top Overlay "RX" at 51.2,9.752 h1.2; Top Overlay "PWM" at 51.2,4.672 h1.2
P1: Top Overlay "1" at 68.53,35.7 h1.02; Top Overlay "6" at 80.97,35.7 h1.02
U1: Components Bodies "*" at 97.365,32.94 h1.27 r270
U2: Components Bodies "*" at 114.865,53.019 h1.27 r270